# KiCad board Bread70.kicad_pcb (continued)
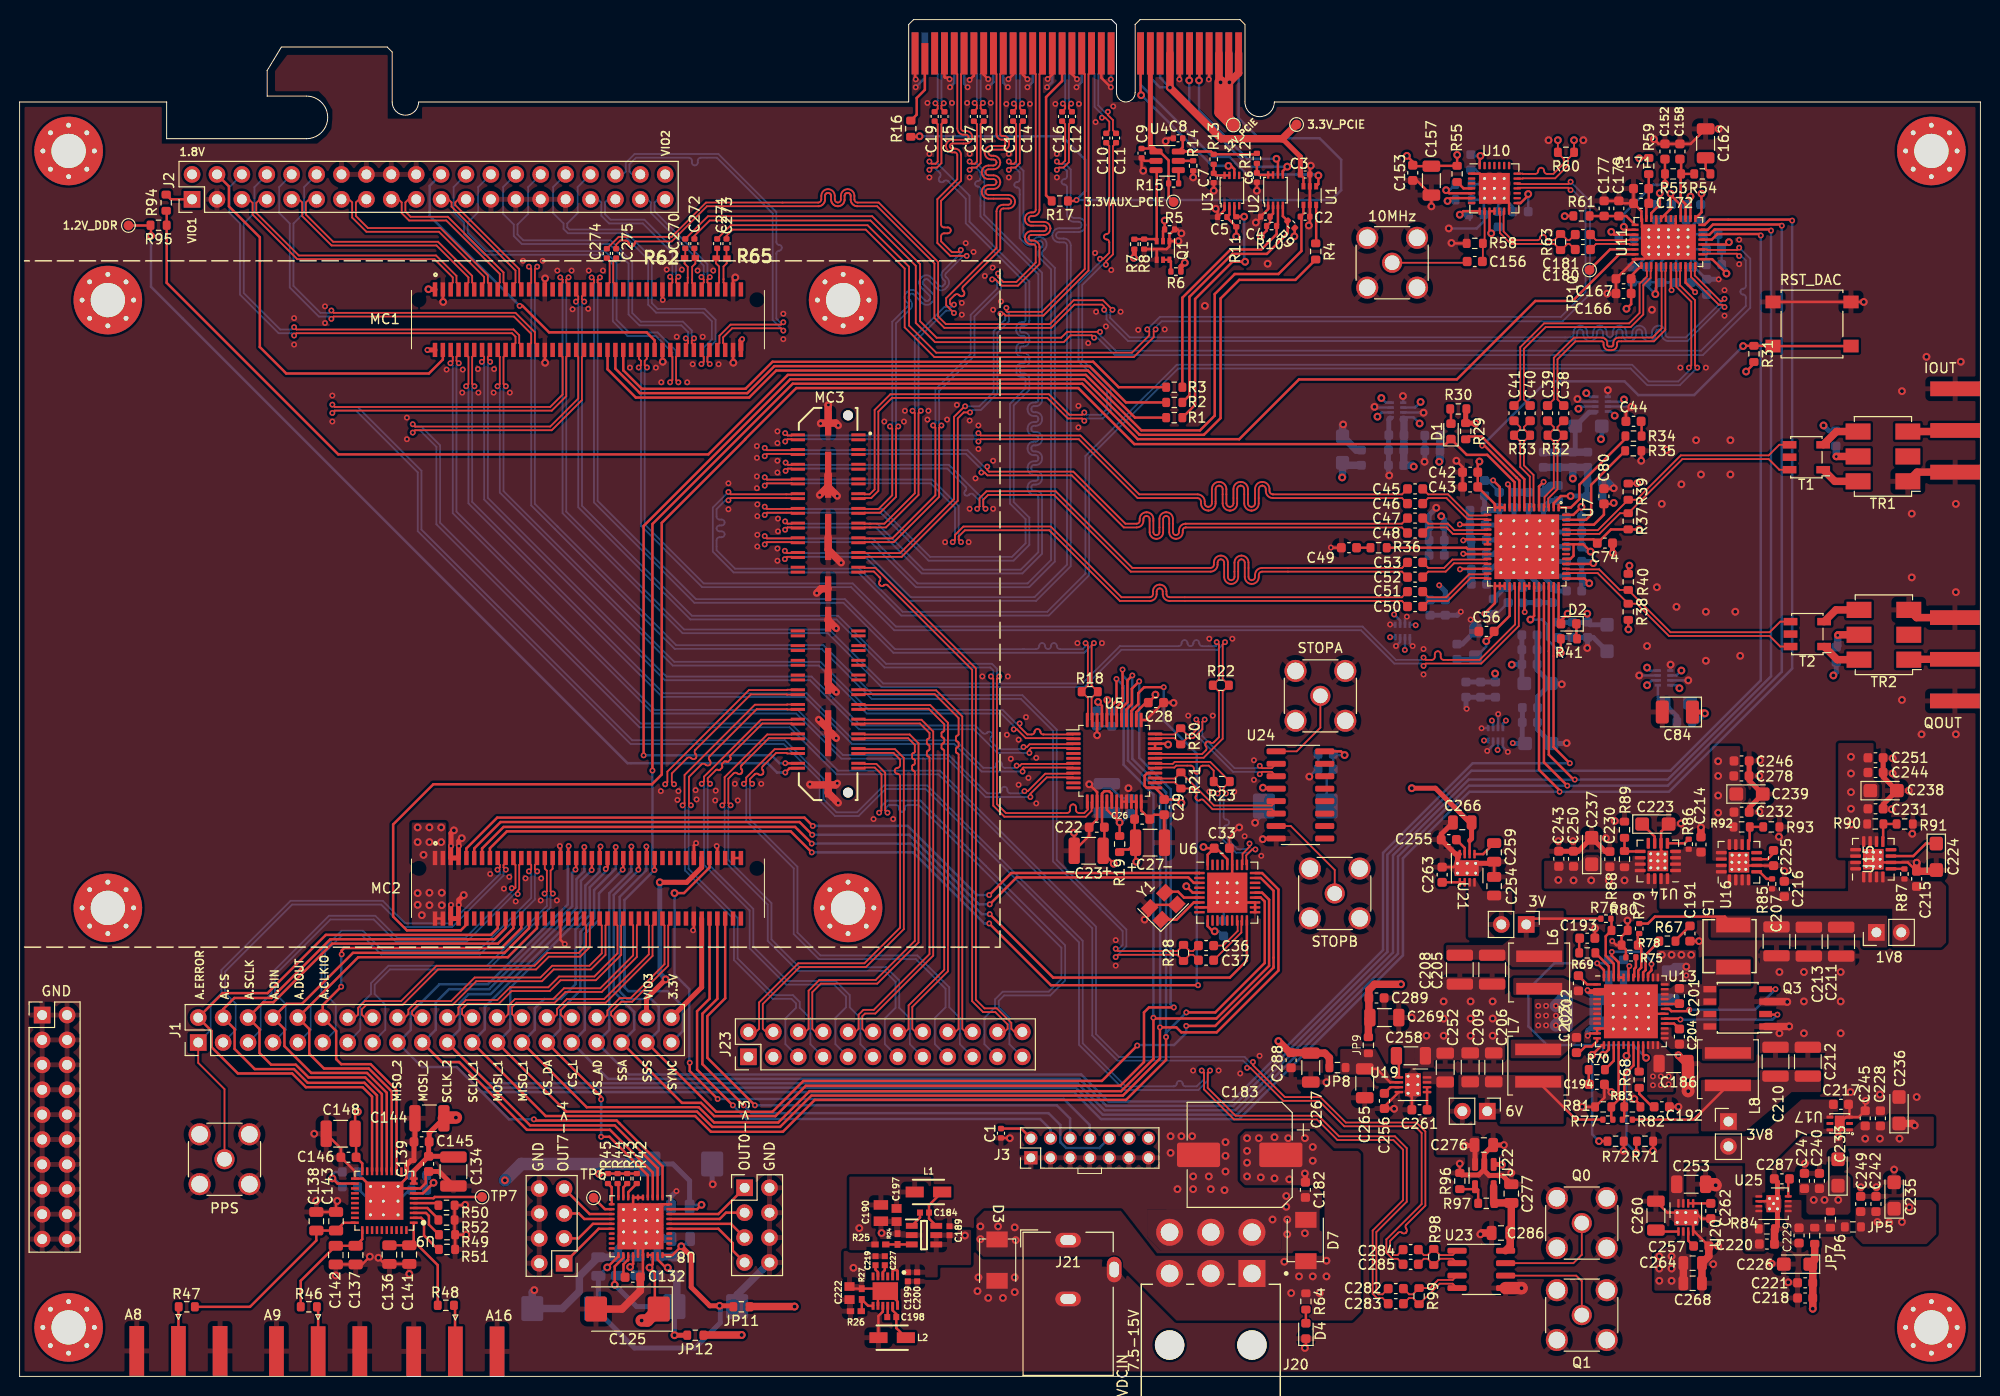
[diagram p0: board, top side]
## Placement (name value [footprint] x y rotation side) (continued)
J15  Conn_02x04_Odd_Even  [PinHeader_2x04_P2.54mm_Vertical]  55.54 11.54 180 top
J16  132289  [SMA_Amphenol_132289_EdgeMount]  30.45 2.58 270 top
J17  132289  [SMA_Amphenol_132289_EdgeMount]  16.2 2.6 270 top
J18  Conn_Coaxial  [SMA_Amphenol_132134_Vertical]  159.34 6.25 180 top
J19  Conn_Coaxial  [SMA_Amphenol_132134_Vertical]  140 113.6 270 top
J20  45558-0003  [Molex-455580003-Recommended_Land_Pattern_]  121.5 3 180 top
J21  PJ-102AH  [CUI_JP-102AH]  106.95 11.15 0 top
J22  Conn_Coaxial  [SMA_Amphenol_132134_Vertical]  159.34 15.64 180 top
J23  Conn_02x12_Odd_Even  [PinHeader_2x12_P2.54mm_Vertical]  74.34 32.6 90 top
J25  Conn_02x10_Counter_Clockwise  [PinHeader_2x10_P2.54mm_Vertical]  2.3 36.86 0 top
JP1  3A jumper  [PinHeader_1x02_P2.54mm_Vertical]  149.7 27.05 270 top
JP2  3A jumper  [PinHeader_1x02_P2.54mm_Vertical]  153.68 46.1 270 top
JP3  3A jumper  [PinHeader_1x02_P2.54mm_Vertical]  174.3 26 0 top
JP4  3A jumper  [PinHeader_1x02_P2.54mm_Vertical]  189.39 45.29 90 top
JP5  Jumper_2_Open  [R_0603_1608Metric]  187 15.25 0 top
JP6  Jumper_2_Open  [R_0603_1608Metric]  184.7 16 90 top
JP7  Jumper_2_Open  [R_0603_1608Metric]  183.1 14.35 90 top
JP8  Jumper_2_Open  [R_0603_1608Metric]  134.43 31.5 180 top
JP9  Jumper_2_Open  [R_0603_1608Metric]  137.57 33.78 90 top
JP11  Jumper_2_Open  [R_0603_1608Metric]  73.62 7.1 180 top
JP12  Jumper_2_Open  [R_0603_1608Metric]  68.92 4.2 180 top
L1  22 uH  [INDM3225X240N]  92.7 18.81 180 top
L2  22 uH  [INDM3225X240N]  89 3.95 180 top
L5  1u  [L_Bourns_SRP0515-1R0K]  174.8 43.89 270 top
L6  3.3u  [L_Coilcraft_XAL5030-XXX]  155 41.2 90 top
L7  4.7u  [L_Coilcraft_XAL5030-XXX]  154.9 31.7 270 top
L8  3.3u  [L_Coilcraft_XAL5030-XXX]  174.25 31.33 270 top
Q1  NVTJD4001NT1G  [SOT-363_SC-70-6]  116.63 114.85 270 top
Q3  BSO220N03MD G  [Infineon_PG-DSO-8-43]  175.25 37.59 180 top
R1  0  [R_0603_1608Metric]  117.78 97.8 180 top
R2  0  [R_0603_1608Metric]  117.78 99.35 180 top
R3  0  [R_0603_1608Metric]  117.78 100.9 180 top
R4  0  [R_0603_1608Metric]  132.2 114.75 270 top
R5  100k  [R_0402_1005Metric]  117.3 117 0 top
R6  4.75k  [R_0402_1005Metric]  117.94 112.7 180 top
R7  4.75k  [R_0402_1005Metric]  113.7 115.49 90 top
R8  100k  [R_0402_1005Metric]  114.7 115.5 270 top
R9  4.75k  [R_0402_1005Metric]  129.7 117.5 135 top
R10  4.75k  [R_0402_1005Metric]  127.7 117.34 0 top
R11  4.75k  [R_0402_1005Metric]  124.1 117.77 90 top
R12  200k  [R_0402_1005Metric]  126.2 124.25 90 top
R13  200k  [R_0402_1005Metric]  121.8 124.15 90 top
R14  100k  [R_0402_1005Metric]  119.7 123.49 270 top
R15  100k  [R_0402_1005Metric]  117.71 121.69 180 top
R16  0  [R_0603_1608Metric]  90.9 127.28 90 top
R17  0  [R_0603_1608Metric]  106.1 119.9 180 top
R18  100  [R_0603_1608Metric]  109.15 69.84 180 top
R19  10  [R_0603_1608Metric]  112.2 54.3 90 top
R20  100  [R_0603_1608Metric]  118.43 65.29 270 top
R21  100  [R_0603_1608Metric]  118.45 60.79 270 top
R22  100  [R_0603_1608Metric]  122.53 70.5 0 top
R23  100  [R_0603_1608Metric]  122.62 60.68 180 top
R24  34 k  [RESC1005X35N]  89.55 14.01 90 top
R25  330 K  [RESC1005X40N]  87.8 13.46 0 top
R26  330 K  [RESC1005X40N]  85.3 6.65 180 top
R27  32.4K  [RESC1005X35N]  85.9 8.4 90 top
R28  100  [R_0603_1608Metric]  118.72 43.2 270 top
R29  1k  [R_0603_1608Metric]  147.5 96.41 90 top
R30  1k  [R_0603_1608Metric]  146.75 98.69 0 top
R31  1k  [R_0603_1608Metric]  176.9 104.3 90 top
R32  100  [R_0603_1608Metric]  156.68 96 180 top
R33  100  [R_0603_1608Metric]  153.25 96 180 top
R34  1  [R_0603_1608Metric]  164.62 95.92 0 top
R35  4.02k  [R_0603_1608Metric]  164.59 94.42 0 top
R36  1  [R_0603_1608Metric]  138.62 84.53 0 top
R37  49.9  [R_0603_1608Metric]  164.08 87.22 270 top
R38  49.9  [R_0603_1608Metric]  164.08 77.99 270 top
R39  49.9  [R_0603_1608Metric]  164.08 90.25 90 top
R40  49.9  [R_0603_1608Metric]  164.08 81.04 90 top
R41  1k  [R_0603_1608Metric]  158.04 75.24 180 top
R42  10k  [R_0402_1005Metric]  62.95 20.18 270 top
R43  10k  [R_0402_1005Metric]  61.97 20.18 270 top
R44  10k  [R_0402_1005Metric]  60.99 20.18 270 top
R45  10k  [R_0402_1005Metric]  60.01 20.18 270 top
R46  0  [R_0603_1608Metric]  29.5 7.1 0 top
R47  0  [R_0603_1608Metric]  17.05 7.1 180 top
R48  0  [R_0603_1608Metric]  43.47 7.25 0 top
R49  0  [R_0603_1608Metric]  43.6 14.45 0 top
R50  0  [R_0603_1608Metric]  43.55 17.45 0 top
R51  0  [R_0603_1608Metric]  43.59 12.95 0 top
R52  0  [R_0603_1608Metric]  43.55 15.95 0 top
R53  196  [R_0603_1608Metric]  168.65 122.66 0 top
R54  196  [R_0603_1608Metric]  171.64 122.66 180 top
R55  0  [R_0603_1608Metric]  146.63 122.66 270 top
R56  1k  [R_0603_1608Metric]  147.28 121.61 180 bottom
R57  1k  [R_0603_1608Metric]  147.29 120.01 180 bottom
R58  49.9  [R_0603_1608Metric]  148.43 115.58 180 top
R59  10  [R_0603_1608Metric]  166.17 123.46 270 top
R60  100  [R_0603_1608Metric]  157.73 124.86 180 top
R61  10  [R_0603_1608Metric]  159.31 118.37 0 top
R62  100 ohm  [RESC1005X40N]  68.38 114.08 0 top
R63  100  [R_0603_1608Metric]  157.18 115.71 270 top
R64  2k  [R_0603_1608Metric]  131.2 7.65 270 top
R65  100 ohm  [RESC1005X40N]  71.6 114.05 0 top
R67  8.2k  [R_0603_1608Metric]  168.07 44.4 180 top
R68  5.6k  [R_0603_1608Metric]  165.2 30.26 90 top
R69  28k  [R_0603_1608Metric]  159.9 43.2 0 top
R70  25.8k  [R_0603_1608Metric]  160.88 31.29 0 top
R71  0  [R_0603_1608Metric]  165.79 23.99 0 top
R72  0  [R_0603_1608Metric]  162.79 23.99 0 top
R75  15.4k  [R_0402_1005Metric]  164.35 42.75 0 top
R76  54.9k  [R_0402_1005Metric]  161.8 46.69 180 top
R77  130k  [R_0402_1005Metric]  162 26.19 180 top
R78  20k  [R_0603_1608Metric]  164.23 43.99 180 top
R79  24.9k  [R_0402_1005Metric]  165.2 45.68 90 top
R80  20k  [R_0603_1608Metric]  163.2 45.49 0 top
R81  20k  [R_0603_1608Metric]  161.52 27.49 180 top
R82  75k  [R_0402_1005Metric]  163.99 26.19 0 top
R83  20k  [R_0603_1608Metric]  164.5 27.49 0 top
R84  10k  [R_0603_1608Metric]  178.22 15.05 0 top
R85  100k  [R_0402_1005Metric]  178.75 50.24 270 top
R86  100k  [R_0402_1005Metric]  170.25 54.29 90 top
R87  100k  [R_0402_1005Metric]  192.25 51.25 90 top
R88  14k  [R_0603_1608Metric]  163.7 52.76 90 top
R89  10k  [R_0603_1608Metric]  163.7 55.76 90 top
R90  14k  [R_0603_1608Metric]  189.28 56.35 0 top
R91  10k  [R_0603_1608Metric]  192.28 56.35 0 top
R92  14k  [R_0603_1608Metric]  175.65 56.05 0 top
R93  10k  [R_0603_1608Metric]  178.68 56.05 0 top
R94  0  [R_0603_1608Metric]  14.95 119.72 270 top
R95  0  [R_0603_1608Metric]  14.17 117.42 180 top
R96  200k  [R_0603_1608Metric]  146.9 19.92 90 top
R97  430k  [R_0603_1608Metric]  149.6 17.65 180 top
R98  100  [R_0603_1608Metric]  144.24 12.19 270 top
R99  100  [R_0603_1608Metric]  142.75 8.19 270 top
SW1  B3S-1000  [SW_SPST_B3S-1000]  182.82 107.35 0 top
T1  RF_Transformer_ETC1_1_13  [Transformer_MACOM_SM-22]  182.25 93.76 180 top
T2  RF_Transformer_ETC1_1_13  [Transformer_MACOM_SM-22]  182.35 75.72 180 top
TP1  TP  [TestPoint_Pad_D1.0mm]  123.8 127.65 90 top
TP2  TP  [TestPoint_Pad_D1.0mm]  117.7 119.8 90 top
TP3  TP  [TestPoint_Pad_D1.0mm]  130.25 127.7 90 top
TP4  TP  [TestPoint_Pad_D1.0mm]  11.1 117.4 0 top
TP6  TP  [TestPoint_Pad_D1.0mm]  58.54 18.22 180 top
TP7  TP  [TestPoint_Pad_D1.0mm]  47.17 18.3 180 top
TP10  TP  [TestPoint_Pad_D1.0mm]  160.13 112.86 90 top
TR1  ADT2-1T-1P  [Mini-Circuits_CD542_H2.84mm]  190.06 93.84 180 top
TR2  ADT2-1T-1P  [Mini-Circuits_CD542_H2.84mm]  190.16 75.65 180 top
U1  SN74AXC1T45DCKR  [SOT-363_SC-70-6]  131.6 120.45 90 top
U2  PCA9306DCUR  [VSSOP-8_2.4x2.1mm_P0.5mm]  128.1 121.01 90 top
U3  PCA9306DCUR  [VSSOP-8_2.4x2.1mm_P0.5mm]  123.65 120.96 90 top
U4  AP22653AW6-7  [SOT-23-6]  117.05 123.99 0 top
U5  AS6501-FLQM  [LQFP-48_7x7mm_P0.5mm]  111.65 62.79 0 top
U6  Si5319  [QFN36_6x6_P0.5_EP4.1x4.1_ThermalVias]  123.18 49.34 0 top
U7  AD9152  [AD9152_LFCSP_56_8x8mm_P0.5mm_EP6.6x6.6mm]  156.98 88.63 270 top
U8  DAC81408RHAT  [VQFN-40_P0.5mm_EP4.7x4.7mm]  63.33 15.31 180 top
U9  AD7175-8  [LFCSP_WQ_40_6 mm × 6 mm_P0.5mm_EP3.9x3.9mm]  40.2 15.67 180 top
U10  CDCLVD2104  [VQFN-28_5x5mm_P0.5_EP3.15x3.15_Thermal Vias]  148.1 123.51 0 top
U11  LTC6951IUHF#PBF  [40 QFN 5x7mm_pitch 0.5mm_EP3.6x5.6mm]  168.18 115.71 90 top
U13  ADP5054ACPZ-R7  [LFCSP48_7x7_P0.5_EP5.6x5.6_ThermalVias]  164.35 37.24 0 top
U14  ADP1741ACPZ-R7  [LFCSP-16-EP2.1x2.1_P0.65mm]  167.1 52.58 180 top
U15  ADP1741ACPZ-R7  [LFCSP-16-EP2.1x2.1_P0.65mm]  189.07 52.75 90 top
U16  ADP1753ACPZ-R7  [LFCSP-16-EP2.1x2.1_P0.65mm]  175.38 52.45 90 top
U17  ADM7160ACPZN3.3-R7  [LFCSP_6_P0.65mm_EP1x1.6mm_2x2mm]  186.65 25.15 180 top
U19  ADM7150ACPZ-5.0-R2  [LFCSP-8-1EP_3x3mm_P0.5mm_EP1.6x2.34mm_ThermalVias]  142.12 29.75 0 top
U20  ADM7154ACPZ-3.3-R7  [LFCSP-8-1EP_3x3mm_P0.5mm_EP1.6x2.44mm_ThermalVias]  170 16.21 90 top
U21  ADM7154ACPZ-2.5-R7  [LFCSP-8-1EP_3x3mm_P0.5mm_EP1.6x2.44mm_ThermalVias]  147.6 51.84 270 top
U22  TPS78401DBVR  [SOT-23-5]  149.4 20.49 270 top
U23  MC100EPT23DR2G  [SOIC-8_3.9x4.9mm_P1.27mm]  149.09 10.92 0 top
U24  DS90C031BTMX/NOPB  [SOIC-16_3.9x9.9mm_P1.27mm]  130.65 59.31 0 top
U25  ADP1706ACPZ-3.3-R7  [LFCSP-8_3x3mm_P0.5_EP1.45x1.74]  177.4 18.37 0 top
Y1  114MHz  [Crystal_SMD_3225-4Pin_3.2x2.5mm]  116.64 47.96 45 top

## Library data of the parts
C1-C9 = -: Description: Unpolarized capacitor; Dis: Mouser; Man: Kemet; Part: C0402C104K8RAC7411; Unitprice: 0.094
C10-C19 = -: Description: Unpolarized capacitor, small symbol; Dis: Mouser; Man: Kemet; Part: C0402C104K8RAC7411; Unitprice: 0.094
C20-C22 C24 C26 C28-C30 C33 = -: Description: Unpolarized capacitor, small symbol; Dis: Mouser; Man: Taiyo Yuden; Part: EMK107B7105KA-T; Unitprice: 0.094
C23 C25 C27 = -: Description: Polarized capacitor, small US symbol; Dis: Mouser; Man: AVX; Part: F910J107MBAAJ6; Unitprice: 0.677
C32 C153 C171 C175-C177 C180 C181 = -: Description: Unpolarized capacitor; Dis: Mouser; Man: Taiyo Yuden; Part: GMJ107CB7105KAHR; Unitprice: 0,263
C34 C125 C130 = -: Description: Polarized capacitor, US symbol; Dis: Mouser; Man: KYOCERA AVX; Part: TCJY106M035R0070; Unitprice: 2.11
C35 C43 = -: Description: Multilayer Ceramic Capacitors MLCC - SMD/SMT 0603 50VDC 1nF 10% Low Distort; Dis: Mouser; Man: Taiyo yuden; Part: UMK107SD102KA-T; Unitprice: 0.141
C36 C37 = -: Description: Unpolarized capacitor, small symbol; Dis: Mouser; Man: Taiyo Yuden; Part: UMK107B7104KAHT; Unitprice: 0.103
C38 C39 = -: Description: Multilayer Ceramic Capacitors MLCC - SMD/SMT 25V 0.01uF X7R 0603 10%; Dis: Mouser; Man: KEMET; Part: C0603C103K3RAC7411; Unitprice: 0,14
C40 C41 C44 C49 = -: Description: Multilayer Ceramic Capacitors MLCC - SMD/SMT SUGGESTED ALTERNATE EMK107B7105KA-T 1uF 6.3V 0603 X7R 10%; Dis: Mouser; Man: Taiyo Yuden; Part: JMK107B7105KA-T; Unitprice: 0,088
C42 = -: Description: Multilayer Ceramic Capacitors MLCC - SMD/SMT 100V 1200pF X7R 0603 10% AEC-Q200; Dis: Mouser; Man: KEMET; Part: C0603C122K1RACAUTO; Unitprice: 0,359
C45-C48 C50-C53 = -: Description: Multilayer Ceramic Capacitors MLCC - SMD/SMT 6.3V 0.1uF X7R 0603 5%; Dis: Mouser; Man: Kyocera AVX; Part: 06036C104JAT2A; Unitprice: 0,324
C54 C55 = -: Description: Multilayer Ceramic Capacitors MLCC - SMD/SMT 10V 1uF X5R 0603 10%; Dis: Mouser; Man: KEMET; Part: C0603C105K8PAC7411; Unitprice: 0,236
C56 C61-C65 C67 C68 C73 C77 C78 C83 C91-C101 C112 C113 C115 C116 C151 C155 C160 C161 C164 C165 C167 C168 C170 C174 C218 C243-C247 C249-C251 C278 = -: Description: Multilayer Ceramic Capacitors MLCC - SMD/SMT 0603 16VDC 0.1uF 10% X7R AEC-Q200; Dis: Mouser; Man: Taiyo Yuden; Part: EMF107B7104KAHT; Unitprice: 0.169
C57 C60 C69 C71 C72 C74-C76 C79-C82 C85 C90 C102-C111 C114 C117-C120 = -: Description: Multilayer Ceramic Capacitors MLCC - SMD/SMT 50V 1000pF X7R 0603 10% Flex Soft; Dis: Mouser; Man: KEMET; Part: C0603X102K5RECTU; Unitprice: 0,236
C58 C59 C87-C89 = -: Description: CAP CER 0.047UF 6.3V X7R 0508; Dis: Digikey; Man: KYOCERA AVX; Part: W2L16C473MAT1S; Unitprice: 1,14
C66 C70 C86 C121-C124 C223 C224 C226 C233 C235-C239 = -: Description: Tantalum Capacitors - Solid SMD 10V 10uF 1206 10%; Dis: Mouser; Man: KEMET; Part: T489A106K010ATA2K2; Unitprice: 0,761
C84 = -: Description: Tantalum Capacitors - Solid SMD 35V 4.7uF 1311 10% ESR=1ohms; Dis: Mouser; Man: KEMET; Part: T495B475K035ATE1K0; Unitprice: 0,945
C126 C281 = -: Description: Polarized capacitor, US symbol; Dis: Mouser; Man: KYOCERA AVX; Part: TCJE106M050R0070E; Unitprice: 3.29
C127 C128 C133 C279 = -: Description: Unpolarized capacitor; Dis: Mouser; Man: Taiyo Yuden; Part: UMF212B7224KGHT; Unitprice: 0.226
C129 C280 = -: Description: Unpolarized capacitor; Dis: Mouser; Man: KEMET; Part: C0805C224K1RECAUTO; Unitprice: 0.235
C131 = -: Description: Unpolarized capacitor; Dis: Mouser; Man: KEMET; Part: C0805C331K1RACTU; Unitprice: 0.15
C132 = -: Description: Unpolarized capacitor; Dis: Mouser; Man: Taiyo Yuden; Part: HMK107C7224KAHTE; Unitprice: 0.197
C134 C144 C148 C205 C208 C210 C212 = -: Description: Unpolarized capacitor; Dis: Mouser; Man: Taiyo Yuden; Part: EMK325B7226KMHP; Unitprice: 0.639
C135 C149 = -: Description: Unpolarized capacitor; Dis: Mouser; Man: Taiyo Yuden; Part: EMF107B7224MAHT; Unitprice: 0.132
C136-C138 = -: Description: Unpolarized capacitor; Dis: Mouser; Man: Taiyo Yuden; Part: UMF212B7105KGHT; Unitprice: 0.263
C139 C145 C146 = -: Description: Unpolarized capacitor; Dis: Mouser; Man: Taiyo Yuden; Part: EMK107B7474KA-T; Unitprice: 0.103
C140 C147 = -: Description: Unpolarized capacitor; Dis: Mouser; Man: Taiyo Yuden; Part: LMK107B7225KA-T; Unitprice: 0.122
C141-C143 = -: Description: Unpolarized capacitor; Dis: Mouser; Man: Taiyo Yuden; Part: UMF212B7104KGHT; Unitprice: 0.226
C150 C154 C159 C163 C166 C169 C172 C178 C179 = -: Description: Unpolarized capacitor; Dis: Mouser; Man: Taiyo Yuden; Part: UMK107B7103KAHT; Unitprice: 0,123
C152 = -: Description: Unpolarized capacitor; Dis: Mouser; Man: Vishay / Vitramon; Part: VJ0603Y821KXBAC; Unitprice: 0,28
C156 C195 C196 C256 C257 C261 C262 = -: Description: Unpolarized capacitor; Dis: Mouser; Man: Taiyo Yuden; Part: TMK107B7105KA-T; Unitprice: 0.094
C157 C185-C188 C206 C209 C252 C253 C258 C260 C265 C267 C269 = -: Description: Unpolarized capacitor; Dis: Mouser; Man: Taiyo Yuden; Part: TMK316AB7106KL-T; Unitprice: 0.282
C158 = -: Description: Unpolarized capacitor; Dis: Mouser; Man: Murata Electronics; Part: GCM1885C2A132JA16D; Unitprice: 0,21
C162 = -: Description: Unpolarized capacitor; Dis: Mouser; Man: Murata Electronics; Part: GRM31C5C1H623JA01K; Unitprice: 0,464
C173 = -: Description: Unpolarized capacitor; Dis: Mouser; Man: Taiyo Yuden; Part: UMK107B7474KA-TR; Unitprice: 0,175
C182 = -: Description: Unpolarized capacitor; Dis: Mouser; Man: KEMET; Part: C0603C104K5RAC3121; Unitprice: 0.122
C183 = -: Description: Polarized capacitor, US symbol; Dis: Mouser; Man: Panasonic; Part: EEE-TP1V221AP; Unitprice: 1.36
C184 C198 = -: Description: Multilayer Ceramic Capacitors MLCC - SMD/SMT 25 V 0.1uF X7R 0402 5%; Height: 0.55; Manufacturer_Name: YAGEO; Manufacturer_Part_Number: CC0402JRX7R8BB104; Mouser Part Number: 603-CC0402JR7R8BB104; Mouser Price/Stock: https://www.mouser.co.uk/ProductDetail/YAGEO/CC0402JRX7R8BB104?qs=tS%2FAHvPQ%2F56C6Jcuby2Lxg%3D%3D
C189 C199 C200 = -: Description: Multilayer Ceramic Capacitors MLCC - SMD/SMT 25VDC 4.7F 20% X5S; Height: 0.55; Manufacturer_Name: Murata Electronics; Manufacturer_Part_Number: GRM155C61E475ME15J; Mouser Part Number: 81-GRM15C61E475ME15J; Mouser Price/Stock: https://www.mouser.co.uk/ProductDetail/Murata-Electronics/GRM155C61E475ME15J?qs=By6Nw2ByBD02p8xq06vhEQ%3D%3D
C190 = -: Description: Capacitor GRM21_0.15 L=2.0mm W=1.25mm T=1.25mm; Height: 1.45; Manufacturer_Name: Murata Electronics; Manufacturer_Part_Number: GRM21BR61E106KA73K; Mouser Part Number: 81-GRM21BR61E106KA3K; Mouser Price/Stock: https://www.mouser.co.uk/ProductDetail/Murata-Electronics/GRM21BR61E106KA73K?qs=hNud%2FORuBR1gmy53p902Zw%3D%3D
C191 = -: Description: Unpolarized capacitor; Dis: Mouser; Man: murata; Part: GCD188R71E473KA01D; Unitprice: 0.179
C192 = -: Description: Unpolarized capacitor; Dis: Mouser; Man: KEMET; Part: C0603C103K4RACTU; Unitprice: 0.094
C193 C194 = -: Description: Unpolarized capacitor; Dis: Mouser; Man: KEMET; Part: C0603C182K3RACTU; Unitprice: 0.301
C197 C222 = -: Description: Multilayer Ceramic Capacitors MLCC - SMD/SMT 16V 22uF X5R 0603 4mm Pitch 20%; Height: 1; Manufacturer_Name: KYOCERA; Manufacturer_Part_Number: CM105X5R226M16AT; Mouser Part Number: 581-CM105X5R226M16AT; Mouser Price/Stock: https://www.mouser.co.uk/ProductDetail/KYOCERA-AVX/CM105X5R226M16AT?qs=MyNHzdoqoQKX6cMyStcF%2FA%3D%3D
C201-C204 = -: Description: Unpolarized capacitor; Dis: Mouser; Man: Taiyo Yuden; Part: TMK107B7104KAHT; Unitprice: 0.094
C207 C211 C213 = -: Description: Unpolarized capacitor; Dis: Mouser; Man: KEMET; Part: C1210C476K8RACTU; Unitprice: 3.4
C214-C217 C220 C228-C232 = -: Description: Multilayer Ceramic Capacitors MLCC - SMD/SMT 0603 10VDC 4.7uF 20% X5R AEC-Q200; Dis: Mouser; Man: Taiyo Yuden; Part: LMK107BJ475MAHT; Unitprice: 0,166
C219 = -: Description: Capacitor GRM15_0.20 L=1.0mm W=0.5mm T=0.5mm; Height: 0.55; Manufacturer_Name: Murata Electronics; Manufacturer_Part_Number: GRM155R61E225KE11J; Mouser Part Number: 81-GRM155R61E225KE1J; Mouser Price/Stock: https://www.mouser.co.uk/ProductDetail/Murata-Electronics/GRM155R61E225KE11J?qs=hNud%2FORuBR06C%252Bqc4RmIYw%3D%3D
C221 C240 C242 C288 C289 = -: Description: Multilayer Ceramic Capacitors MLCC - SMD/SMT 0603 25VDC 0.1uF 10% X7R AEC-Q200; Dis: Mouser; Man: Taiyo Yuden; Part: TMK107B7104KAHT; Unitprice: 0.094
C225 C287 = -: Description: Multilayer Ceramic Capacitors MLCC - SMD/SMT 0603 100VDC 0.01uF 10% X7R MID HIGH VOL; Dis: Mouser; Man: Taiyo Yuden; Part: HMK107B7103KA-T; Unitprice: 0.096
C227 = -: Description: Multilayer Ceramic Capacitors MLCC - SMD/SMT PLEASE SEE MURATA'S SUGGESTED ALTERNATE GRM033R71E682KE14D; Height: 0.55; Manufacturer_Name: Murata Electronics; Manufacturer_Part_Number: GRM155R71E562JA01D; Mouser Part Number: 81-GRM155R71E562JA1D; Mouser Price/Stock: https://www.mouser.co.uk/ProductDetail/Murata-Electronics/GRM155R71E562JA01D?qs=IPQhFcwEUOigMWrPc0Ol4Q%3D%3D
C254 C259 C264 C268 = -: Description: Unpolarized capacitor; Dis: Mouser; Man: Taiyo Yuden; Part: EMK212BB7106KG-T; Unitprice: 0.498
C255 C263 = -: Description: Unpolarized capacitor; Dis: Mouser; Man: Taiyo Yuden; Part: EMK107B7105KA-T; Unitprice: 0.094
C266 = -: Description: Unpolarized capacitor; Dis: Mouser; Man: Taiyo Yuden; Part: LMK212AB7106KG-T; Unitprice: 0.207
C270-C275 = -: Description: Unpolarized capacitor; Dis: Mouser; Man: Taiyo Yuden; Part: EMF105B7104KVHF; Unitprice: 0.1
C276 C277 C286 = -: Description: Unpolarized capacitor; Dis: Mouser; Man: Taiyo Yuden; Part: EMF212AB7475KGHT; Unitprice: 0.273
C282-C285 = -: Description: Unpolarized capacitor; Dis: Mouser; Man: Taiyo yuden; Part: UMK107SD102KA-T; Unitprice: 0.141
D1 D2 = -: Description: Standard LEDs - SMD True Green; Dis: Mouser; Man: OSRAM Opto Semiconductors; Part: LT Q39G-Q1OO-25-1; Unitprice: 0,341
D3 D7 = -: Description: Zener diode; Dis: Mouser; Man: ST microelectronics; Unitprice: 0.47
D4 = -: Description: Light emitting diode; Dis: Mouser; Man: Dialight; Part: 598-8070-107F; Unitprice: 0.31
H1-H8 = -: Description: Mounting Hole without connection
IC1 = -: Description: Simple Switcher 4-V To 36-V, 1-A Buck Converter In SOT-23-6 Package; Height: 1.45; Manufacturer_Name: Texas Instruments; Mouser Part Number: 595-LMR50410XFDBVR; Mouser Price/Stock: https://www.mouser.co.uk/ProductDetail/Texas-Instruments/LMR50410XFDBVR?qs=81r%252BiQLm7BS8rTEbBMRIqw%3D%3D
IC2 = -: Description: 1A High-Efficiency, Synchronous, 4.5V to 60V, Inverting Output DC-DC Converter, 12 TDFN 3mm x 3mm; Height: 0.8; Manufacturer_Name: Analog Devices; Mouser Part Number: 700-MAX17577ATC+; Mouser Price/Stock: https://www.mouser.co.uk/ProductDetail/Analog-Devices-Maxim-Integrated/MAX17577ATC%2b?qs=eP2BKZSCXI6GRnD3M2riQA%3D%3D
J1 J2 = -: Description: Generic connector, double row, 02x20, odd/even pin numbering scheme (row 1 odd numbers, row 2 even numbers), script generated (kicad-library-utils/schlib/autogen/connector/)
J3 = -: Description: Generic connector, double row, 02x07, odd/even pin numbering scheme (row 1 odd numbers, row 2 even numbers), script generated (kicad-library-utils/schlib/autogen/connector/); Dis: Mouser; Man: Molex; Part: 87831-1420; Unitprice: 2.4
J4 J5 = -: Description: Board to Board & Mezzanine Connectors 0.80 mm Basic Blade & Beam Terminal Strip; Dis: Mouser; Man: SAMTEC; Unitprice: 8.51
J6 J11 J12 J18 J19 J22 = -: Description: coaxial connector (BNC, SMA, SMB, SMC, Cinch/RCA, ...); Dis: Mouser; Man: Amphenol RF; Part: 132134; Unitprice: 5.68
J7 = -: Description: CONN DIFF ARRAY PLG 80P SMD GOLD; Dis: Digikey; Man: Samtec; Unitprice: 14.03
J8 = -: Description: PCI Express bus connector x4
J9 J15 = -: Description: Generic connector, double row, 02x04, odd/even pin numbering scheme (row 1 odd numbers, row 2 even numbers), script generated (kicad-library-utils/schlib/autogen/connector/)
J10 J13 J14 J16 J17 = -: Description: RF Connectors / Coaxial Connectors SMA END LAUNCH PCB MNT JACK .062 GOLD; Dis: Mouser; Man: Amphenol RF; Unitprice: 6,80
J20 = -: Description: Generic connector, double row, 02x03, top/bottom pin numbering scheme (row 1: 1...pins_per_row, row2: pins_per_row+1 ... num_pins), script generated (kicad-library-utils/schlib/autogen/connector/); Dis: Mouser; Man: Molex; Unitprice: 1.07
J21 = -: Description: DC Barrel Jack with an internal switch; Dis: Mouser; Man: CUI Devices; Unitprice: 0.771
J23 = -: Description: Generic connector, double row, 02x12, odd/even pin numbering scheme (row 1 odd numbers, row 2 even numbers), script generated (kicad-library-utils/schlib/autogen/connector/)
J25 = -: Description: Generic connector, double row, 02x10, counter clockwise pin numbering scheme (similar to DIP package numbering), script generated (kicad-library-utils/schlib/autogen/connector/)
JP1-JP4 = -: Description: Solder Jumper, 2-pole, open; Dis: Mouser; Man: WE; Part: 60900213421; Unitprice: 0.301
JP5-JP9 JP11 JP12 = -: Description: Jumper, 2-pole, open; Dis: Mouser; Man: Vishay / Dale; Part: CRCW06030000Z0EBHP
L1 L2 = -: Description: 22 H Unshielded Inductor 370 mA 2Ohm Max 1210 (3225 Metric); Arrow Part Number: CC322522A-220K; Arrow Price/Stock: https://www.arrow.com/en/products/cc322522a-220k/bourns?region=nac; Height: 2.4; Manufacturer_Name: Bourns; Manufacturer_Part_Number: CC322522A-220K; Mouser Part Number: 652-CC322522A-220K; Mouser Price/Stock: https://www.mouser.co.uk/ProductDetail/Bourns/CC322522A-220K?qs=BJlw7L4Cy79%252BfkwUStgyAQ%3D%3D
L5 = -: Description: Inductor; Dis: Mouser; Man: Bourns; Part: SRP0515-1R0K; Unitprice: 0.959
L6 L8 = -: Description: Inductor; Dis: Mouser; Man: Coilcraft; Part: XAL5030-332MEC; Unitprice: 2.71
L7 = -: Description: Inductor; Dis: Mouser; Man: Coilcraft; Part: XAL5030-472MEC; Unitprice: 2.71
Q1 = -: Description: Dual NMOS transistor, 6 pin package; Dis: Mouser; Man: onsemi; Unitprice: 0.47
Q3 = -: Description: Dual NMOS transistor, 8 pin package; Dis: Mouser; Man: Infenion; Part: BSO220N03MD G; Unitprice: 0.921
R1-R4 R16 R17 R46-R52 R55 R71 R72 R94 R95 = -: Description: Resistor; Dis: Mouser; Man: YAGEO; Part: AC0603FR-070RL; Unitprice: 0.094
R5 R8 R14 R15 R85 = -: Description: Resistor; Dis: Mouser; Man: Vishay / Dale; Part: CRCW0402100KFKED; Unitprice: 0.094
R6 R7 R9-R11 = -: Description: Resistor; Dis: Mouser; Man: Vishay / Dale; Part: CRCW04024K75FKED; Unitprice: 0.094
R12 R13 = -: Description: Resistor; Dis: Mouser; Man: Vishay / Dale; Part: CRCW0402200KFKEDC; Unitprice: 0.094
R18 R28 = -: Description: Resistor, small symbol; Dis: Mouser; Man: KOA Speer; Part: RN73R1JTTD1000F50; Unitprice: 0.443
R19 = -: Description: Resistor, small symbol; Dis: Mouser; Man: ROHM-Semiconductor; Part: SDR03EZPF10R0; Unitprice: 0,131
R20-R23 R32 R33 R60 R63 = -: Description: Thin Film Resistors - SMD 100 ohm 1% 50 ppm; Dis: Mouser; Man: KOA Speer; Part: RN73R1JTTD1000F50; Unitprice: 0.443
R24 = -: Description: 34 kOhms +/-0.1% 0.1W, 1/10W Chip Resistor 0402 (1005 Metric) Thin Film; Height: 0.35; Manufacturer_Name: TE Connectivity; Manufacturer_Part_Number: RP73PF1E34KBTD
R25 R26 = -: Description: Vishay CRCW Series Thick Film Surface Mount Resistor 402 Case 330k +/-1% 0.063W +/-100ppm/C; Height: 0.4; Manufacturer_Name: Vishay; Manufacturer_Part_Number: CRCW0402330KFKED; Mouser Part Number: 71-CRCW0402-330K-E3; Mouser Price/Stock: https://www.mouser.co.uk/ProductDetail/Vishay-Dale/CRCW0402330KFKED?qs=M5h4kKQH9pJYkM2oWvTUGg%3D%3D
R27 = -: Description: 32.4 kOhms +/-0.1% 0.063W, 1/16W Chip Resistor 0402 (1005 Metric) Thin Film; Height: 0.35; Manufacturer_Name: YAGEO; Manufacturer_Part_Number: RT0402BRD0732K4L
R29-R31 R41 R56 R57 = -: Description: Thick Film Resistors - SMD 0603 1Kohms 1% AEC-Q200; Dis: Mouser; Man: Panasonic; Part: ERJ-3EKF1001V; Unitprice: 0,088
R34 R36 = -: Description: Thin Film Resistors - SMD 1/10W 1 ohm ohm 50 ppm; Dis: Mouser; Man: YAGEO; Part: RT0603FRE071RL; Unitprice: 0,105
R35 = -: Description: Thick Film Resistors - SMD 0603 4.02Kohms 0.5% AEC-Q200; Dis: Mouser; Man: Panasonic; Part: ERJ-3RBD4021V; Unitprice: 0,114
R37-R40 = -: Description: Thin Film Resistors - SMD RQ 0603 49R9 0.1% 10PPM 5K RL; Dis: Mouser; Man: TE Connectivity / Holsworthy; Part: RQ73C1J49R9BTD; Unitprice: 0,718
R42-R45 = -: Description: Resistor; Dis: Mouser; Man: Vishay / Dale; Part: CRCW040210K0FKEDC; Unitprice: 0.094
R53 R54 = -: Description: Resistor; Dis: Mouser; Man: Bourns; Part: CR0603-FX-1960ELF; Unitprice: 0,088
R58 = -: Description: Resistor; Dis: Mouser; Man: TE Connectivity / Holsworthy; Part: RQ73C1J49R9BTD; Unitprice: 0,718
R59 R61 = -: Description: Resistor; Dis: Mouser; Man: ROHM-Semiconductor; Part: SDR03EZPF10R0; Unitprice: 0,131
R62 R65 = -: Description: ic; Height: 0.4; Manufacturer_Name: YAGEO; Manufacturer_Part_Number: RC0402FR-07100RL; Mouser Part Number: 603-RC0402FR-07100RL; Mouser Price/Stock: https://www.mouser.co.uk/ProductDetail/YAGEO/RC0402FR-07100RL?qs=V1yeUXFNrknwaJOOZ4yDtg%3D%3D
R64 = -: Description: Resistor; Dis: Mouser; Man: Panasonic; Part: ERJ-3EKF2001V; Unitprice: 0.094
R67 = -: Description: Resistor; Dis: Mouser; Man: Yageo; Part: RT0603FRD078K2L; Unitprice: 0.132
R68 = -: Description: Resistor; Dis: Mouser; Man: KOA Speer; Part: RN73H1JTTD5601F25; Unitprice: 0.382
R69 = -: Description: Resistor; Dis: Mouser; Man: YAGEO; Part: RT0603FRE0728KL; Unitprice: 0.094
R70 = -: Description: Resistor; Dis: Mouser; Man: YAGEO; Part: RT0603BRD0725K8L; Unitprice: 0.32
R75 = -: Description: Resistor; Dis: Mouser; Man: Vishay / Dale; Part: TNPW040215K4BEED; Unitprice: 0.545
R76 = -: Description: Resistor; Dis: Mouser; Man: TE Connectivity / Holsworthy; Part: RP73PF1E54K9BTDF; Unitprice: 0.517
R77 = -: Description: Resistor; Dis: Mouser; Man: TE Connectivity / AMP; Part: RP73PF1E130KBTDF; Unitprice: 0.517
R78 R80 R81 R83 = -: Description: Resistor; Dis: Mouser; Man: Bourns; Part: CRT0603-FY-2002ELF; Unitprice: 0.122
R79 = -: Description: Resistor; Dis: Mouser; Man: Vishay / Dale; Part: TNPW040224K9BEED; Unitprice: 0.536
R82 = -: Description: Resistor; Dis: Mouser; Man: Vishay / Dale; Part: TNPW040275K0BEED; Unitprice: 0.526
R84 = -: Description: Thick Film Resistors - SMD 10 kOhms 100 mW 0603 1% 50ppm; Dis: Mouser; Man: YAGEO; Part: RE0603FRE1310KL; Unitprice: 0.094
R86 R87 = -: Description: Thick Film Resistors - SMD 1/16watt 100Kohms 1%; Dis: Mouser; Man: Vishay / Dale; Part: CRCW0402100KFKED; Unitprice: 0.094
R88 R90 R92 = -: Description: Resistor; Dis: Mouser; Man: Vishay / Dale; Part: TNPW060314K0BEEA; Unitprice: 0,49
R89 R91 = -: Description: Thin Film Resistors - SMD 10Kohms .1% 25ppm; Dis: Mouser; Man: Vishay / Dale; Part: TNPW060310K0BEEN; Unitprice: 0,586
R93 = -: Description: Resistor; Dis: Mouser; Man: TE Connectivity / Holsworthy; Part: CPF0603D10KE; Unitprice: 0,236
R96 = -: Description: Resistor; Dis: Mouser; Man: YAGEO; Part: RT0603BRC07200KL; Unitprice: 0.639
R97 = -: Description: Resistor; Dis: Mouser; Man: YAGEO; Part: RT0603DRD07430KL; Unitprice: 0.226
R98 R99 = -: Description: Resistor; Dis: Mouser; Man: KOA Speer; Part: RN73R1JTTD1000F50; Unitprice: 0.443
SW1 = -: Description: Single Pole Single Throw (SPST) switch; Dis: Mouser; Man: Omron; Unitprice: 0.658
T1 T2 = -: Description: BALUN 4.5MHZ-3GHZ 1:1 5SMD; Dis: Digikey; Man: MACOM; Part: ETC1-1-13TR; Unitprice: 2,68
TP1-TP4 TP6 TP7 TP10 = -: Description: test point
TR1 TR2 = -: Description: Audio Transformers / Signal Transformers RF XFMR / SURF MOUNT / RoHS; Dis: Mouser; Man: Mini-Circuits; Part: ADT2-1T-1P+; Unitprice: 7,58
U1 = -: Description: Single-Bit Dual-Supply Bus Transceiver With Configurable Voltage Translation and 3-State Outputs, SOT-363; Dis: Digikey; Man: TI; Unitprice: 0.59
U2 U3 = -: Description: Dual bidirectional I2C Bus and SMBus voltage level translator; Dis: Digikey; Man: TI; Unitprice: 0.8
U4 = -: Description: Power Switch/Driver 1:1 N-Channel 2.1A SOT-26; Dis: Digikey; Man: Diodes Incorporated; Unitprice: 0.41
U5 = -: Description: Data Acquisition ADCs/DACs - Specialised AS6501-FLQM LQFP48 LF T&RDP; Dis: Mouser; Man: ScioSense; Unitprice: 27
U6 = -: Description: Clock Synthesizer/Jitter Cleaner Any-frequency jitter attenuating clock; Dis: Mouser; Man: Skyworks Solutions, Inc.; Part: SI5319C-C-GMR; Unitprice: 25.95
U7 = -: Description: Digital to Analog Converters - DAC 1.6 GSPS Dual IF-Class DAC(JESD204B I/F); Dis: Mouser; Man: Analog-Devices; Part: AD9152BCPZ; Unitprice: 96.13
U8 = -: Description: Digital to Analog Converters - DAC 8-channel 16-bit high-voltage output DAC with integrated internal reference 40-VQFN -40 to 125; Dis: Mouser; Man: TI; Part: DAC81408RHAT; Unitprice: 46.35
U9 = -: Description: Analog to Digital Converters - ADC 250ksps 8 input Sigma Delta ADC; Dis: Mouser; Man: Analog-Devices; Part: AD7175-8BCPZ-RL7; Unitprice: 30.49
U10 = -: Description: IC CLK BUFFER 1:4 800MHZ 28VQFN; Dis: Digikey; Man: Texas Instruments; Part: CDCLVD2104RHDR; Unitprice: 8,28
U11 = -: Description: IC CLOCK SYNTHESIZER PLL 40QFN; Dis: Digikey; Man: Analog-Devices; Unitprice: 19,02
U13 = -: Description: 250kHz to 2MHz, 6A/6A/2A/2A Quad Buck Regulator, -40 to +125C, QFN-48; Dis: Mouser; Man: Analog-Devices; Unitprice: 12.34
U14 U15 = -: Description: Linear Voltage Regulators 2A LDO adj V-out; Dis: Mouser; Man: Analog-Devices; Unitprice: 4.43
U16 = -: Description: Linear Voltage Regulators 0.8A LDO Adjustable Vout; Dis: Mouser; Man: Analog-Devices; Unitprice: 2,76
U17 = -: Description: LDO Voltage Regulators Ultra-Low Noise 200mA LDO; Dis: Mouser; Man: Analog-Devices; Unitprice: 1,37
U19 = -: Description: 800 mA, Ultralow Noise, High PSRR, RF Linear Regulator; Dis: Mouser; Man: Analog-Devices; Unitprice: 10,68
